# Altium PCB PCB1.PcbDoc (part 5 of 5)
Units mil, origin at the board's own origin, x right, y up, seen from the top; angles counter-clockwise.
Board outline 4133.86 x 2637.8 mil, 6 copper layers (Top Layer, Layer 3, Layer 1, Layer 2, Layer 4, Bottom Layer), stack 32.112 mil thick; 190 components, 224 nets, 985 pads, 573 vias.
Unrouted connection lines stored in the file: 1.
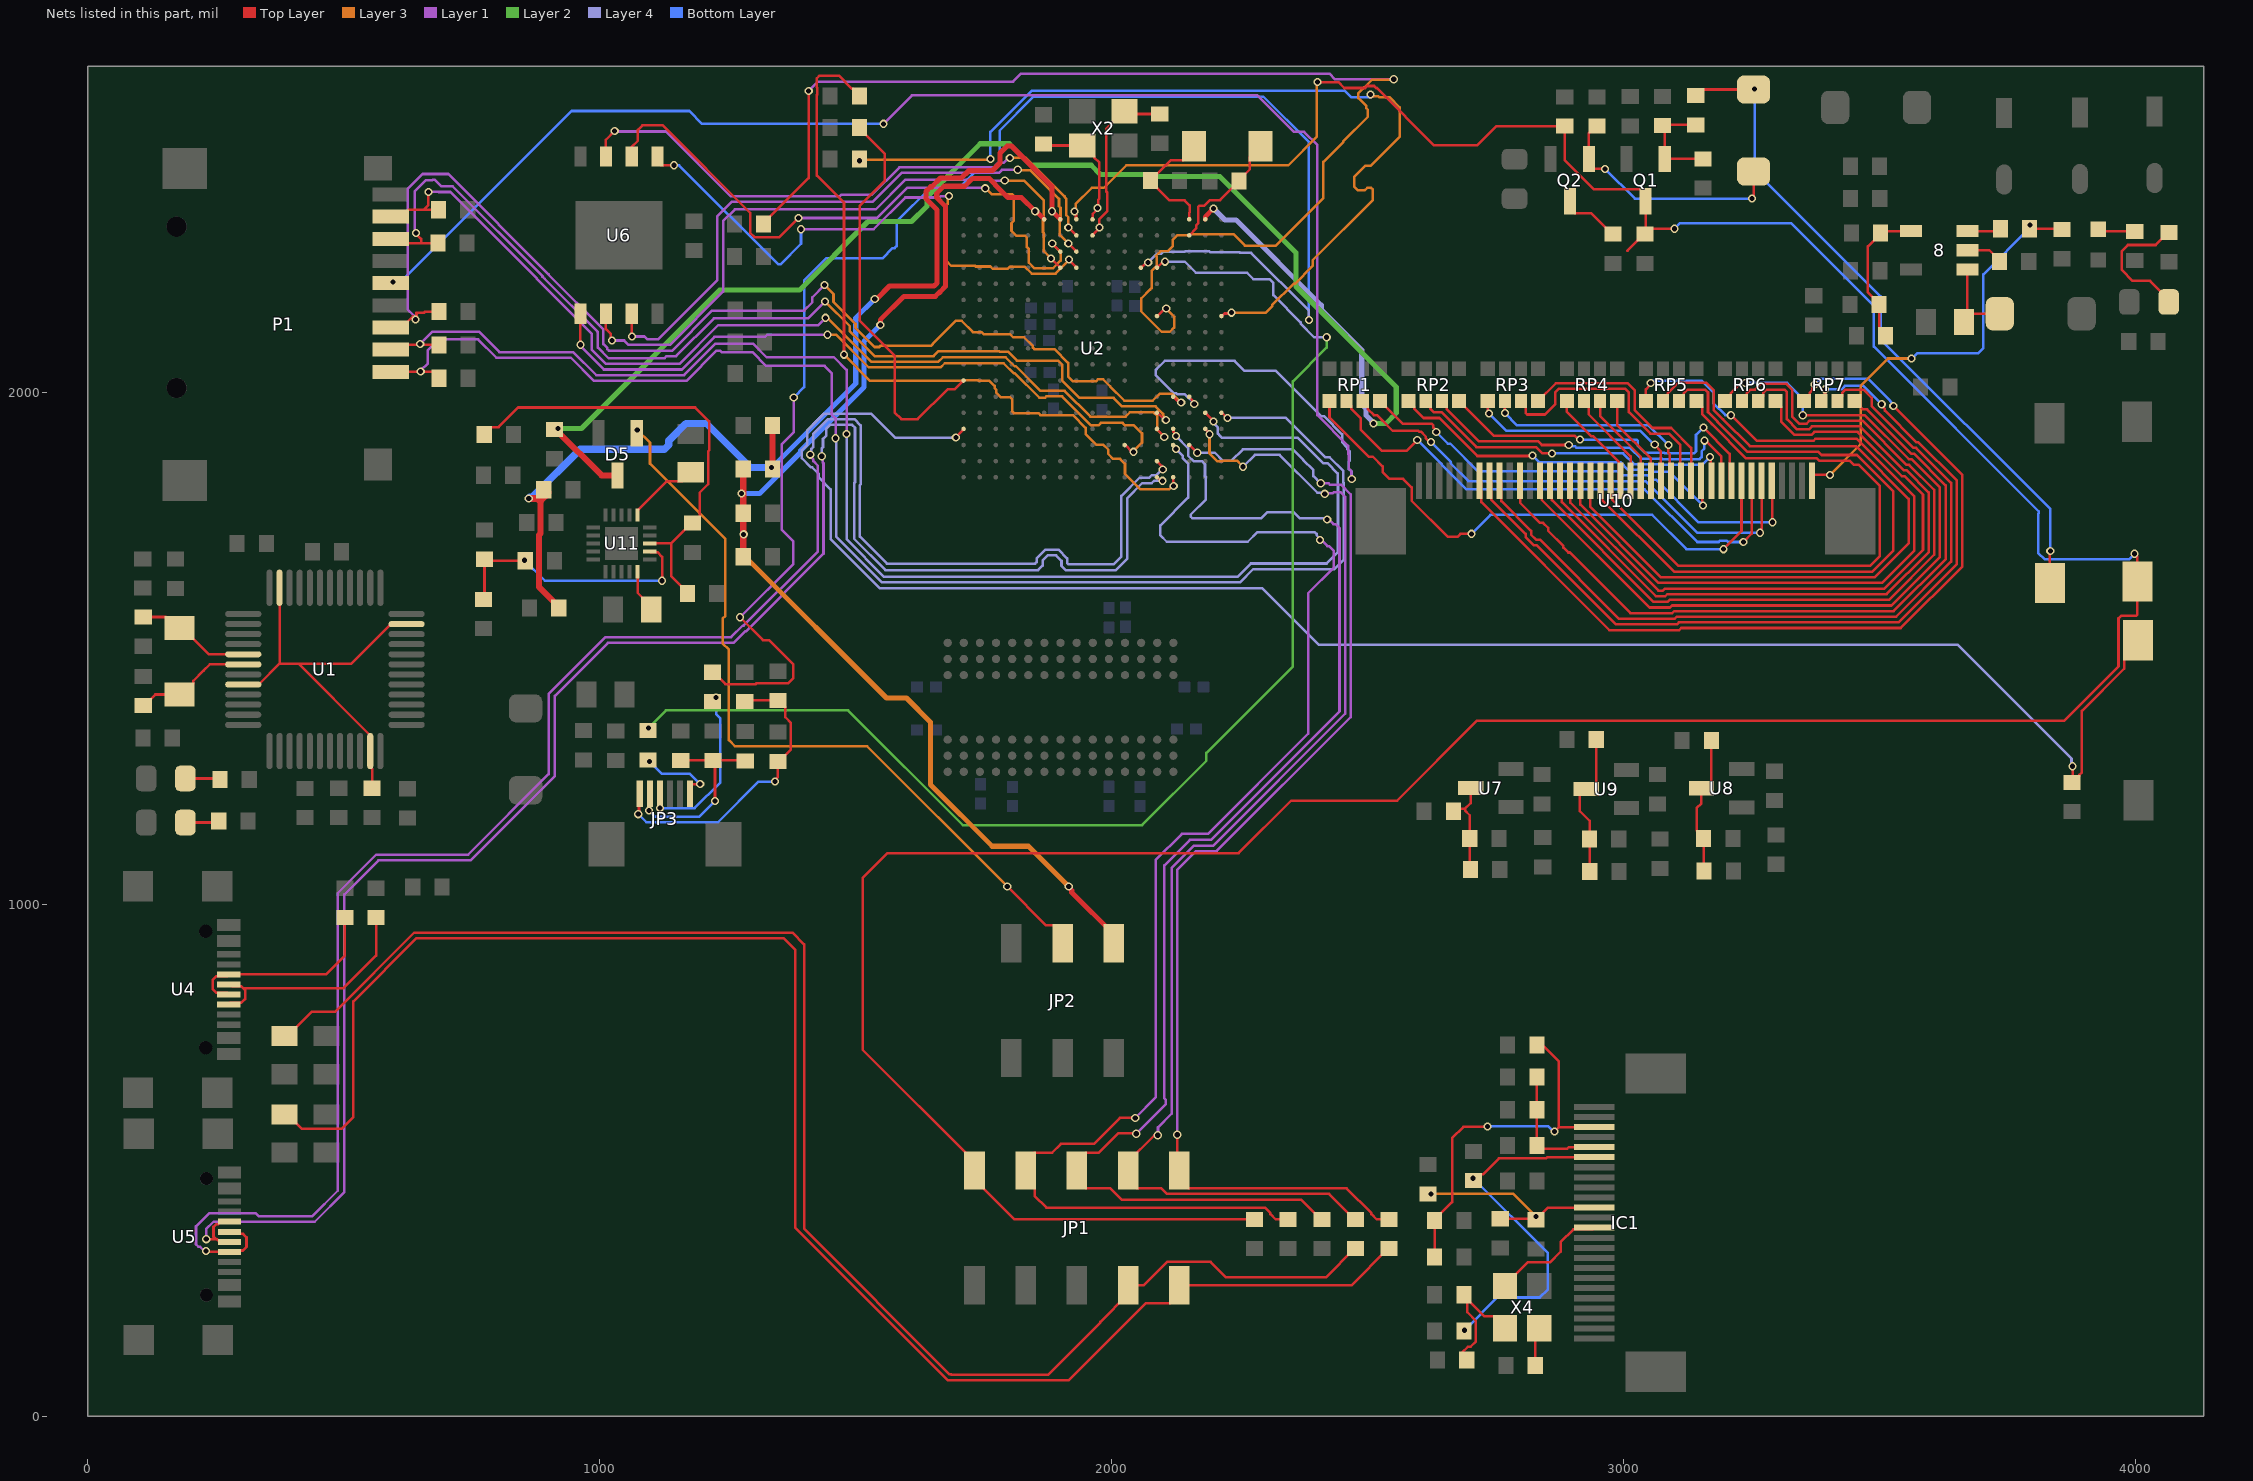
[diagram p9: the nets of this part, all layers, seen from the top]

## Via types
v1: diameter 16, hole 10, Top Layer to Bottom Layer, tented both sides, 573 vias

## Nets (pads, with @x,y where several pads share a name; then routed paths per layer and width w, separated by ;. In a path a pad name is that pad's centre, name@x,y a point inside that pad or via, vN(x,y) a via of type N, cw(c..) or ccw(c..) an arc to the next point about the centre after c; other vN are vias at no path point) (continued)
LED-: R29.1 R33.1 U10.40 | length 854.6
  Top Layer w5: U10.40@3368.23,1827.6 3368.23,1835.59 3371.63,1839 v1(3403,1839) ; R29.1@3794,2320 3855.13,2320 R33.1@3856.58,2318.54
  Layer 3 w5: v1(3403,1839) 3463,1899 3463,2013 3516.51,2066.51 v1(3562.75,2066.51)
  Bottom Layer w5: v1(3562.75,2066.51) 3563.69,2066.51 3574.18,2077 3693,2077 3703,2087 3703,2231 3794,2322 v1(3794,2327)
Net1_2: 1.2 2.2 FB1.1 U7.3 | length 193.2
  Top Layer w5: FB1.1@2667.54,1182 2672.51,1186.97 2690.62,1186.97 ; 2.2@2701,1068 2699.46,1069.54 1.2@2699.46,1129 2699.46,1174.2 2690.62,1183.03 2690.62,1186.97 ; U7.3@2701.26,1227.4 2701.26,1197.61 2690.62,1186.97
Net8_1: 8.1 D1.1 L1.1 | length 188.3
  Top Layer w5: L1.1@3665.39,2143.91 L1.1@3665.39,2138 L1.1@3671.7,2144.31 ; 8.1@3681.54,2240.6 8.1@3671.7,2240.6 L1.1@3671.7,2144.31 ; D1.1@3735,2154 3681.39,2154 L1.1@3671.7,2144.31
Net8_2: 8.2 R28.2 | length 73.1
  Top Layer w5: 8.2@3671.7,2278 3714.55,2278 3734.58,2257.97 R28.2@3734.58,2256
Net8_3: 8.3 R29.2 | length 66.2
  Top Layer w5: 8.3@3671.7,2315.4 3731.44,2315.4 R29.2@3736.04,2320
Net8_4: 8.4 13.2 R30.1 R32.1 | length 286.3
  Top Layer w5: R30.1@3512,2111 3512,2112.97 3499.13,2125.84 13.2@3499.13,2172 3499.13,2173.97 3477.41,2195.69 3477.41,2285.31 3505.53,2313.43 3505.53,2315.4 8.4@3561.46,2315.4
Net11_2: 11.2 12.2 FB2.1 U8.3 | length 277.8
  Top Layer w5: 11.2@3157.46,1065 3156.46,1066 12.2@3156.46,1129 3156.46,1130.97 3142.81,1144.61 3142.81,1187.97 3152,1197.16 U8.3@3152,1227 3160.26,1227 3171.54,1238.28 FB2.1@3171.54,1320
Net16_2: 16.2 17.2 FB3.1 U9.3 | length 284.4
  Top Layer w5: 16.2@2933.91,1064 2933.91,1162.93 2914.81,1182.03 2914.81,1214.12 2920.45,1219.76 2929.62,1219.76 2946.54,1236.68 FB3.1@2946.54,1322
Net21_2: 21.2 22.2 FB6.2 IC1.11 | length 419.8
  Top Layer w5: FB6.2@2617,434.45 FB6.2@2617.5,434.96 ; FB6.2@2618,434.46 v1(2623.46,434.46) ; 21.2@2758.98,385.84 22.2@2828.98,385.84 ; 22.2@2831.78,387.22 2852.29,407.74 IC1.11@2942.94,407.74
  Layer 3 w5: v1(2623.46,434.46) 2784.54,434.46 v1(2829,390)
Net24_2: 24.2 IC1.6 R38.2 | length 724.7
  Top Layer w5: v1(2705.94,465) 2706.98,463.96 R38.2@2706.98,460.3 ; R38.2@2713.98,465.33 2721.21,472.56 2725.25,472.56 2756.5,503.82 2848.81,503.82 2851.16,506.17 IC1.6@2942.94,506.17
  Bottom Layer w5: v1(2688.94,168) 2752.94,232 2836.14,232 2851.95,247.81 2851.95,319 v1(2705.94,465)
Net25_2: 25.2 IC1.5 R40.1 R42.1 | length 256
  Top Layer w5: R40.1@2830.52,668.55 25.2@2830.52,598.8 R42.1@2830.52,529.05 2837.05,522.52 2889.54,522.52 2892.87,525.85 IC1.5@2942.94,525.85
Net26_2: 26.2 IC1.3 R41.1 R43.1 | length 732.8
  Top Layer w5: R41.1@2630.98,311.3 26.2@2630.98,382.3 2630.98,384.27 2665.11,418.4 2665.11,543.43 2686.98,565.3 2732.98,565.3 v1(2733.98,566.3) ; R43.1@2830.52,732.33 R43.1@2830.52,734.3 ; R43.1@2830.52,736.33 2872.98,693.88 2872.98,564.3 ; v1(2865.2,556.52) 2872.98,564.3 ; IC1.3@2942.94,565.22 2942.48,564.76 2873.44,564.76 2872.98,564.3
  Bottom Layer w5: v1(2733.98,566.3) 2853.06,566.3 2862.84,556.52 v1(2865.2,556.52)
Net27_2: 27.2 FB7.2 X4.4 | length 242.9
  Top Layer w5: FB7.2@2685.67,125.53 2695.93,135.79 2701.07,135.79 2711.33,146.05 2711.33,186.55 2694.6,203.29 2694.6,230.77 27.2@2688.07,237.3 ; 27.2@2688.07,235.33 2728.35,195.05 2747.4,195.05 2768.52,173.93 X4.4@2768.52,171.96
Net28_2: 28.2 JP3.2 R45.2 R48.1 | length 389.5
  Top Layer w5: v1(1095.88,1183.28) 1096.78,1184.17 1096.78,1215.21 JP3.2@1097.68,1216.1 ; 28.2@1156.73,1280.19 28.2@1158,1281.46 1283,1281.46 R48.1@1284,1280.46 ; R45.2@1221,1281.46 1224.97,1277.48 v1(1224.97,1201.97)
  Bottom Layer w5: v1(1095.88,1183.28) 1107.62,1171.54 1194.54,1171.54 v1(1224.97,1201.97)
Net29_2: 29.2 JP3.1 R44.2 R51.1 | length 597.4
  Top Layer w5: v1(1075.03,1176.26) 1076.51,1177.74 1076.51,1214.62 JP3.1@1077.99,1216.1 ; R44.2@1283,1396.46 1285,1398.46 R51.1@1348,1398.46 1349.97,1398.46 1362.23,1386.19 1362.23,1365.83 1373.23,1354.83 1373.23,1302.72 1349.97,1279.46 29.2@1348,1279.46 1348,1248.98 1342,1242.98 v1(1342,1240)
  Bottom Layer w5: v1(1075.03,1176.26) 1090.76,1160.54 1230.54,1160.54 1310,1240 v1(1342,1240)
NetC1_2: C1.2 U2.A7 | length 1824.9
  Top Layer w5: U2.A7@2214.45,2149.49 2215.49,2149.49 2220.4,2154.4 2232.34,2154.4 v1(2234,2156.06)
  Layer 3 w5: v1(1507.34,2452.88) 1509.15,2454.69 1761.19,2454.69 v1(1763,2456.5) ; v1(2234,2156.06) 2301.26,2156.06 2313.5,2168.29 2313.5,2170.62 2355.38,2212.5 2357.71,2212.5 2392.56,2247.35 2392.56,2258.43 2510.27,2376.15 2510.27,2396.56 2506.84,2399.99 2499.24,2399.99 2494.62,2395.37 2480.63,2395.37 2473.5,2402.5 2473.5,2420.88 2496.12,2443.5 2506.46,2443.5 2562.5,2499.54 2562.5,2557.4 2542.9,2577 2522.33,2577 2520.83,2578.5 2507.17,2578.5 2506.83,2578.17 2505.83,2579.17 v1(2505.83,2582.43)
  Bottom Layer w5: v1(1763,2456.5) 1763,2509 1844,2590 2454.79,2590 2467.79,2577 2505.83,2577 v1(2505.83,2582.43)
NetC2_2: C2.2 U2.D17 | length 1482.9
  Top Layer w5: v1(1477,2074) 1477,2371 1424,2424 1424,2581.67 1424.5,2582.17 1424.5,2595.83 1424,2596.33 1424,2614 1429,2619 1467.09,2619 1492.85,2593.23 1494.82,2593.23 1507.09,2580.97 C2.2@1507.09,2579 ; U2.D17@2119.96,1834.53 2120.5,1833.98 2120.5,1817.84 v1(2121.05,1817.29)
  Layer 3 w5: v1(1477,2074) 1528,2023 1682,2023 1682.25,2022.75 1710.18,2022.75 1711.68,2024.26 1739.61,2024.26 1740.87,2023 1761.06,2023 1771.29,2012.77 1771.29,2008.71 1774.11,2005.89 1774.11,2000.37 1783.77,1990.71 1797.44,1990.71 1797.62,1990.89 1801.11,1990.89 1805.75,1986.25 1805.75,1962.69 1808.68,1959.76 1857.09,1959.76 1860.83,1956.02 1924.09,1956.02 1948.98,1931.13 1948.98,1918.98 1969.69,1898.27 1983.36,1898.27 1993.22,1888.41 1993.22,1880.17 2002.89,1870.5 2016.33,1870.5 2026,1860.83 2026,1841 2056,1811 2111.78,1811 2118.07,1817.29 v1(2121.05,1817.29)
NetC3_2: C3.2 U2.U11 | length 796.8
  Top Layer w5: C3.2@1507.09,2517.5 1507.09,2515.53 1557,2465.62 1557,2414 1508,2365 1508,2140 1576,2072 1576,1961 1589,1948 1621,1948 1679.26,2006.26 1693.27,2006.26 1694.76,2007.76 U2.U11@1710.51,2023.5
NetC4_1: C4.1 U1.5 X1.1 | length 225.6
  Top Layer w5: C4.1@108,1561.54 151.51,1561.54 173.09,1539.96 X1.1@179,1539.96 184.91,1539.96 236.22,1488.65 U1.5@303.43,1488.65
NetC5_1: C5.1 U1.6 X1.2 | length 232.2
  Top Layer w5: C5.1@108,1388.46 109.97,1388.46 131.55,1410.04 X1.2@179,1410.04 184.76,1410.04 205.88,1431.16 205.88,1436.92 225.96,1457 237.92,1468.96 U1.6@303.43,1468.96
NetC37_1: C37.1 Q1.1 R26.2 R27.2 | length 207.2
  Top Layer w5: R26.2@3141,2522.91 3077.46,2522.91 R27.2@3076,2521.46 3080.4,2517.06 Q1.1@3080.4,2456.34 3080.61,2456.54 C37.1@3155,2456.54
NetC42_1: C42.1 D3.2 Q2.1 | length 482.5
  Top Layer w5: C42.1@2948,2520.46 2946.03,2520.46 2932.4,2506.83 Q2.1@2932.4,2456.34 2932.4,2446.31 2941.71,2437 v1(2964,2437) ; v1(3251,2379) 3254,2382 D3.2@3254,2432
  Bottom Layer w5: v1(2964,2437) 3022,2379 v1(3251,2379)
NetC49_1: C49.1 R52.2 R55.1 U11.2 | length 518.9
  Top Layer w5: R52.2@772.72,1595.85 774.72,1597.85 R55.1@774.72,1674.22 777.63,1671.31 C49.1@852.72,1671.31 ; U11.2@1097.75,1689.56 1099.19,1688.12 1112.49,1688.12 1121.72,1678.89 v1(1121.72,1632.31)
  Bottom Layer w5: v1(852.72,1672.31) 892.72,1632.31 v1(1121.72,1632.31)
NetC50_1: C50.1 R50.1 R54.2 U11.3 | length 897.6
  Top Layer w5: R54.2@774.18,1918.31 774.18,1920.28 786.44,1932.54 801.98,1932.54 840.18,1970.74 1186.29,1970.74 1213.65,1943.38 1213.65,1887.32 1211.81,1885.48 1211.81,1821.1 1194.95,1804.24 1194.95,1757.12 1182.69,1744.85 R50.1@1180.72,1744.85 1178.75,1744.85 1139.21,1705.31 ; U11.3@1097.75,1705.31 1139.21,1705.31 ; C50.1@1171.18,1607.31 1171.18,1609.28 1139.21,1641.25 1139.21,1705.31
NetD3_1: D3.1 R26.1 SW2.2 | length 1331.1
  Top Layer w5: R26.1@3135,2586 R26.1@3141,2580 3153,2592 D3.1@3254,2592 ; SW2.2@3833,1628 3833,1689.84 v1(3833.74,1690.59)
  Bottom Layer w5: v1(3256,2593) 3256,2434 3502,2188 3502,2103.93 3833.74,1772.18 v1(3833.74,1690.59)
NetIC1_13: IC1.13 X4.3 | length 233.7
  Top Layer w5: X4.3@2768.52,254.64 2768.52,256.61 2812.42,300.52 2856.2,300.52 2877.07,321.39 2877.07,340.12 2901.92,364.96 2939.54,364.96 IC1.13@2942.94,368.37
NetJP1_1: JP1.1 R7.1 R13.2 | length 3248.8
  Top Layer w5: R13.2@384,589.8 389.91,589.8 418.09,561.62 495.11,561.62 518.49,585 518.49,810.51 641.98,934 1359,934 1382,911 1382,367.89 1679.82,70.07 1915.78,70.07 2066.6,220.89 2114.42,220.89 2132,238.47 JP1.1@2132,255.8 2468.37,255.8 2540.03,327.46 R7.1@2542,327.46
NetJP1_3: JP1.3 R8.1 R16.2 | length 2997
  Top Layer w5: R16.2@384,743.04 389.91,743.04 436.87,790 482.42,790 637.42,945 1376,945 1399,922 1399,366.44 1683.44,82 1686,82 1686.93,81.07 1875.63,81.07 1978,183.44 1978,184.47 2032,238.47 JP1.3@2032,255.8 2062.5,255.8 2108.4,301.7 2193.3,301.7 2223.5,271.5 2418.32,271.5 2474.28,327.46 R8.1@2476.25,327.46
NetJP3_3: JP3.3 R46.2 | length 336.6
  Top Layer w5: v1(1117.36,1188.04) JP3.3@1117.36,1216.1
  Layer 1 w5: v1@1117,1187.67 v1(1117.36,1188.04)
  Bottom Layer w5: v1(1117.36,1188.04) 1185.04,1188.04 1235.5,1238.5 1235.5,1363.12 1227,1371.62 v1(1227,1404)
NetJP3_6: JP3.6 R47.2 | length 158.1
  Top Layer w5: R47.2@1094,1282.46 v1(1097,1279.46) ; JP3.6@1176.42,1216.1 1176.42,1231.59 1179.82,1235 v1(1196,1235)
  Bottom Layer w5: v1(1097,1279.46) 1121.46,1255 1176,1255 v1(1196,1235)
NetL2_2: L2.2 U11.20 | length 84.6
  Top Layer w5: U11.20@1073.83,1649.9 1073.83,1608.9 1100.52,1582.21 L2.2@1100.52,1576.31
NetL3_2: L3.2 U11.6 | length 143.9
  Top Layer w5: U11.6@1073.83,1760.72 1073.83,1769.87 1131.08,1827.12 1160.54,1827.12 L3.2@1177.72,1844.31
NetLED1_1: LED1.1 R3.2 | length 66.3
  Top Layer w5: LED1.1@190.4,1160 252.46,1160 R3.2@255.46,1163
NetLED2_1: LED2.1 R6.2 | length 68.4
  Top Layer w5: LED2.1@190.4,1246 256,1246 R6.2@258,1244
NetLED4_1: LED4.1 R35.2 | length 73.3
  Top Layer w5: LED4.1@3927.58,2319 3927.58,2317.93 3930.51,2315 R35.2@3998.58,2315
NetLED5_1: LED5.1 R37.2 | length 264.4
  Top Layer w5: LED5.1@4064.99,2177 4064.99,2182 4028.73,2218.27 3994.71,2218.27 3973.35,2239.63 3973.35,2276.2 3985.39,2288.24 4039.31,2288.24 4063.61,2312.54 R37.2@4065.58,2312.54
NetQ2_3: Q2.3 R31.1 | length 118.6
  Top Layer w5: Q2.3@2895,2373.66 2895,2359.88 2904.31,2350.57 2936,2350.57 2977.03,2309.54 R31.1@2979,2309.54
NetR1_2: R1.2 U2.E7 | length 2460.9
  Top Layer w5: R1.2@1320,2329 1320,2330.97 1408,2418.97 v1(1408,2589) ; U2.E7@2088.46,2149.49 2089.51,2149.49 2104.21,2164.19 v1(2106.49,2164.19)
  Layer 1 w5: v1(1408,2589) 1426.5,2607.5 1807.5,2607.5 1823,2623 2425.61,2623 2436.61,2612 v1(2551,2612)
  Layer 3 w5: v1(2106.49,2164.19) 2106.49,2163.87 2122,2148.36 2122,2127 2113.74,2118.74 2097.38,2118.74 2057.72,2158.4 2057.72,2183.98 2074.75,2201 2075.07,2201 2078,2203.93 2078,2237.45 2087.71,2247.16 2087.71,2265.29 2086.07,2266.93 2094.96,2275.82 2109.39,2275.82 2119.05,2285.49 2119.05,2298.06 2128.72,2307.72 2152.18,2307.72 2153.85,2309.39 2237.61,2309.39 2260,2287 2320.71,2287 2413.5,2379.79 2413.5,2450.39 2452,2488.89 2452,2490.5 2500.18,2538.68 2500.18,2552.49 2497.5,2555.17 2497.5,2559.5 2482,2575 2482,2585 2508,2611 2550,2611 v1(2551,2612)
  Bottom Layer w5: v1@2550.83,2611.83 v1(2551,2612)
NetR2_2: R2.2 U1.8 U1.23 U1.35 U1.47 | length 819
  Top Layer w5: U1.8@303.43,1429.59 333.65,1429.59 374.3,1470.24 ; U1.47@374.3,1618.57 374.3,1470.24 ; R2.2@555,1227 555,1264.76 551.46,1268.3 U1.23@551.46,1299.67 551.46,1329.88 411.11,1470.24 ; U1.35@622.33,1547.7 592.12,1547.7 514.66,1470.24 411.11,1470.24 ; 374.3,1470.24 411.11,1470.24
NetR14_2: R14.2 U4.A7 U4.B7 | length 406.3
  Top Layer w5: U4.A7@275,823.93 271.59,827.34 250.72,827.34 243.86,834.19 243.86,853.04 250.72,859.9 271.59,859.9 U4.B7@275,863.3 465.3,863.3 502,900 R14.2@502,974.46
NetR17_2: R17.2 U4.A6 U4.B6 | length 451
  Top Layer w5: U4.B6@275,804.25 278.41,807.65 299.28,807.65 306.88,815.24 306.88,832.62 303.08,836.42 ; U4.A6@275,843.62 278.38,843.62 281.79,840.21 299.28,840.21 303.08,836.42 ; R17.2@563,974.46 563,900 499.42,836.42 303.08,836.42
NetR49_1: R49.1 X4.1 | length 75.9
  Top Layer w5: R49.1@2827.52,99.3 2827.52,164.04 X4.1@2835.45,171.96
NetRP1_5: RP1.5 U10.33 | length 1113.7
  Top Layer w5: RP1.5@2425.54,1983.5 2425.54,1951.46 2502,1875 2510,1875 2529.3,1855.7 2529.3,1844.7 2542.71,1831.29 2569.47,1831.29 2586.11,1814.66 2586.11,1788.64 2656.75,1718 2675.39,1718 2681.39,1724 v1(2703,1724) ; v1(3195,1694) 3230.43,1729.43 U10.33@3230.43,1827.6
  Bottom Layer w5: v1(2703,1724) 2740,1761 3056,1761 3123,1694 v1(3195,1694)
NetRP1_6: RP1.6 U10.34 | length 1051.6
  Top Layer w5: RP1.6@2459,1983.5 2468.31,1974.19 2468.31,1968.08 2486.39,1950 2486.39,1927.61 2528,1886 2576,1886 v1(2597,1907) ; v1(3234,1708) 3250.12,1724.12 U10.34@3250.12,1827.6
  Bottom Layer w5: v1(2597,1907) 2693,1811 3041,1811 3144,1708 3185.67,1708 3188.17,1710.5 3201.83,1710.5 3204.33,1708 v1(3234,1708)
NetRP1_7: RP1.7 U10.35 | length 993.2
  Top Layer w5: RP1.7@2490.5,1983.5 2499.81,1974.19 2499.81,1968.08 2512.09,1955.8 2518.35,1955.8 2528.01,1946.13 2528.01,1946.08 2549.1,1925 2599,1925 2600.5,1923.5 2603.83,1923.5 2613.5,1913.83 2613.5,1910.5 2613.86,1910.5 2620.69,1903.67 v1(2623.67,1903.67) ; v1(3266.62,1726) 3268.72,1728.1 3268.72,1733.7 3269.8,1734.78 U10.35@3269.8,1827.6
  Bottom Layer w5: v1(2623.67,1903.67) 2662.13,1865.2 2662.13,1861.87 2697,1827 3043,1827 3144,1726 v1(3266.62,1726)
NetRP1_8: RP1.8 U10.36 | length 951
  Top Layer w5: RP1.8@2523.96,1983.5 2568.24,1939.22 2624.77,1939.22 2628.3,1935.69 2628.3,1931.67 2634.04,1925.94 v1(2634.04,1923.07) ; U10.36@3289.49,1827.6 3290.24,1826.84 3290.24,1747.26 v1(3291,1746.5)
  Bottom Layer w5: v1(2634.04,1923.07) 2634.04,1922.96 2657,1900 2661.56,1900 2715.56,1846 2989,1846 2997,1838 3047.56,1838 3055.56,1830 3063,1830 3146.5,1746.5 v1(3291,1746.5)
NetRP2_5: RP2.5 U10.29 | length 712.2
  Top Layer w5: RP2.5@2580.08,1983.5 2591.36,1972.22 2591.36,1968.08 2609.21,1950.22 2640.33,1950.22 2714.56,1876 2820.97,1876 v1(2822,1877.03) ; U10.29@3151.69,1827.6 3153.35,1825.94 3153.35,1781.15 v1(3155,1779.5)
  Bottom Layer w5: v1(2822,1877.03) 2835.03,1864 2994,1864 3009,1849 3052.11,1849 3056.11,1845 3089.5,1845 v1(3155,1779.5)
NetRP2_6: RP2.6 U10.30 | length 664.2
  Top Layer w5: RP2.6@2613.54,1983.5 2622.85,1974.19 2622.85,1968.08 2629.71,1961.22 2644.89,1961.22 2712.58,1893.53 2828.83,1893.53 2841.37,1881 v1(2860,1881) ; v1(3169,1874) 3170.19,1872.81 3170.19,1828.79 U10.30@3171.38,1827.6
  Bottom Layer w5: v1(2860,1881) 2999,1881 3020,1860 3070.55,1860 3071.55,1859 3154,1859 v1(3169,1874)
NetRP2_7: RP2.7 U10.31 | length 687.5
  Top Layer w5: RP2.7@2645.04,1983.5 2654.35,1974.19 2654.35,1968.08 2717.9,1904.53 2833.39,1904.53 2840.42,1897.5 v1(2893,1897.5) ; v1(3158,1906) 3160.33,1906 3191.06,1875.27 U10.31@3191.06,1827.6
  Bottom Layer w5: v1(2893,1897.5) 2895.1,1895.4 2904.77,1895.4 2908.17,1892 3013,1892 3034,1871 3075.11,1871 3076.11,1870 3148.57,1870 3152.5,1873.93 3152.5,1885.29 3157.71,1890.5 3157.71,1905.71 v1(3158,1906)
NetRP2_8: RP2.8 U10.32 | length 692
  Top Layer w5: RP2.8@2678.5,1983.5 2746.48,1915.53 2904.99,1915.53 2912.02,1908.5 v1(2915,1908.5) ; v1(3156,1931.72) 3207.34,1880.38 3207.34,1831 U10.32@3210.75,1827.6
  Bottom Layer w5: v1(2915,1908.5) 2915.5,1908 3025.07,1908 3028,1905.07 3028,1896 3042,1882 3079.67,1882 3080.67,1881 3137.57,1881 3141.5,1884.93 3141.5,1917.22 v1(3156,1931.72)
NetRP3_5: RP3.5 U10.25 | length 450.4
  Top Layer w5: RP3.5@2734.62,1983.5 2734.62,1961.38 v1(2737,1959) ; v1(3061,1898.5) 3061,1897 3072.95,1885.05 U10.25@3072.95,1827.6
  Bottom Layer w5: v1(2737,1959) 2771,1925 3033,1925 3059.5,1898.5 v1(3061,1898.5)
NetRP3_6: RP3.6 U10.26 | length 440.9
  Top Layer w5: v1(2768.08,1959.92) RP3.6@2768.08,1983.5 ; v1(3087.5,1897.5) 3087.6,1897.4 3087.6,1882 3090.1,1879.5 3090.1,1830.13 U10.26@3092.64,1827.6
  Bottom Layer w5: v1(2768.08,1959.92) 2792,1936 3049,1936 v1(3087.5,1897.5)
NetRP3_7: RP3.7 U10.27 | length 503.1
  Top Layer w5: RP3.7@2799.58,1983.5 2808.89,1974.19 2808.89,1960.04 2811.82,1957.11 2846.23,1957.11 2866.88,1977.76 2866.88,2000.8 2873.08,2007 3003.67,2007 3010.42,2000.25 3010.42,1961.65 3052.32,1919.75 3088.59,1919.75 3110.8,1897.53 3110.8,1829.12 U10.27@3112.32,1827.6
NetRP3_8: RP3.8 U10.28 | length 452.4
  Top Layer w5: RP3.8@2833.04,1983.5 2867.54,2018 3008.23,2018 3021.42,2004.8 3021.42,1966.2 3056.88,1930.75 3093.14,1930.75 3132.01,1891.88 U10.28@3132.01,1827.6
NetRP4_5: RP4.5 U10.21 | length 201.8
  Top Layer w5: RP4.5@2889.16,1983.5 2889.16,1962.22 2937,1914.39 2941.1,1914.39 2990.81,1864.68 2990.81,1831 U10.21@2994.21,1827.6
NetRP4_6: RP4.6 U10.22 | length 193.7
  Top Layer w5: RP4.6@2922.63,1983.5 2931.94,1974.19 2931.94,1957.36 3013.9,1875.4 U10.22@3013.9,1827.6
NetRP4_7: RP4.7 U10.23 | length 188.8
  Top Layer w5: RP4.7@2954.12,1983.5 2954.12,1954.41 3033.58,1874.94 U10.23@3033.58,1827.6
NetRP4_8: RP4.8 U10.24 | length 183.1
  Top Layer w5: RP4.8@2987.59,1983.5 2987.59,1936.86 3053.27,1871.18 U10.24@3053.27,1827.6
NetRP5_5: RP5.5 U10.17 | length 1565.3
  Top Layer w5: U10.17@2915.47,1827.6 2915.47,1780.88 3068.36,1628 3505,1628 3568,1691 3568,1796.76 3454.75,1910 3375.3,1910 3371.52,1906.22 3259.78,1906.22 3210.28,1955.72 v1(3209.54,1955.72) ; RP5.5@3043.7,1983.5 3043.7,2006.33 3051.01,2013.64 3051.01,2017.38 3049.67,2018.72 v1(3053.11,2018.72)
  Bottom Layer w5: v1(3053.11,2018.72) 3053.11,2023 3153,2023 3176,2000 3176,1978.45 3198.72,1955.72 v1(3209.54,1955.72)
NetRP5_6: RP5.6 U10.18 | length 1458.8
  Top Layer w5: U10.18@2935.16,1827.6 2935.16,1776.76 3072.91,1639 3490.48,1639 3557,1705.52 3557,1792.2 3453.97,1895.22 3246.71,1895.22 3194.5,1947.43 3194.5,1947.67 3175.97,1966.2 3175.97,2004.8 3161.77,2019 3106.55,2019 3086.48,1998.93 3086.48,1992.81 RP5.6@3077.17,1983.5
NetRP5_7: RP5.7 U10.19 | length 1334.4
  Top Layer w5: U10.19@2954.84,1827.6 2958.25,1824.19 2958.25,1790.52 3098.77,1650 3485.92,1650 3526.93,1691.01 3526.93,1806.71 3455.64,1878 3386.74,1878 3380.52,1884.22 3242.15,1884.22 3183.5,1942.88 3183.5,1943.11 3164.97,1961.65 3164.97,2000.25 3159.43,2005.78 3124.83,2005.78 3117.97,1998.93 3117.97,1992.81 RP5.7@3108.66,1983.5
NetRP5_8: RP5.8 U10.20 | length 1195.4
  Top Layer w5: U10.20@2974.53,1827.6 2977.93,1824.19 2977.93,1790.52 3106.71,1661.75 3482.11,1661.75 3500.75,1680.38 3500.75,1817.34 3458.92,1859.17 3449.59,1859.17 3441.76,1867 3382.19,1867 3377.66,1871.53 3239.29,1871.53 3172.5,1938.32 3172.5,1938.56 3153.41,1957.65 3153.41,1972.22 RP5.8@3142.13,1983.5
NetRP6_5: RP6.5 U10.13 | length 1622.3
  Top Layer w5: U10.13@2836.73,1827.6 2840.14,1824.19 2840.14,1790.52 3050.66,1580 3090.58,1580 3094.58,1584 3523.23,1584 3618,1678.77 3618,1814.23 3562.41,1869.82 3557.16,1869.82 3470.98,1956 3350.28,1956 v1(3350,1955.72) ; RP6.5@3198.25,1983.5 3209.52,1994.78 3209.52,1998.93 3231.4,2020.8 3235.54,2020.8 v1(3237.63,2018.72)
  Bottom Layer w5: v1(3237.63,2018.72) 3319.28,2018.72 3350,1988 v1(3350,1955.72)
NetRP6_6: RP6.6 U10.14 | length 1547.5
  Top Layer w5: U10.14@2856.42,1827.6 2859.82,1824.19 2859.82,1789.87 3058.69,1591 3086.03,1591 3090.03,1595 3518.67,1595 3607,1683.33 3607,1809.67 3557.85,1858.82 3552.61,1858.82 3466.42,1945 3363.63,1945 3357.85,1939.22 3343.17,1939.22 3329.95,1952.44 3329.95,2005.36 3318.53,2016.78 3267.72,2016.78 3256.72,2005.78 3247.87,2005.78 3241.02,1998.93 3241.02,1992.81 RP6.6@3231.71,1983.5